# Altium PCB LLN-24VDimmer.PcbDoc (continued)
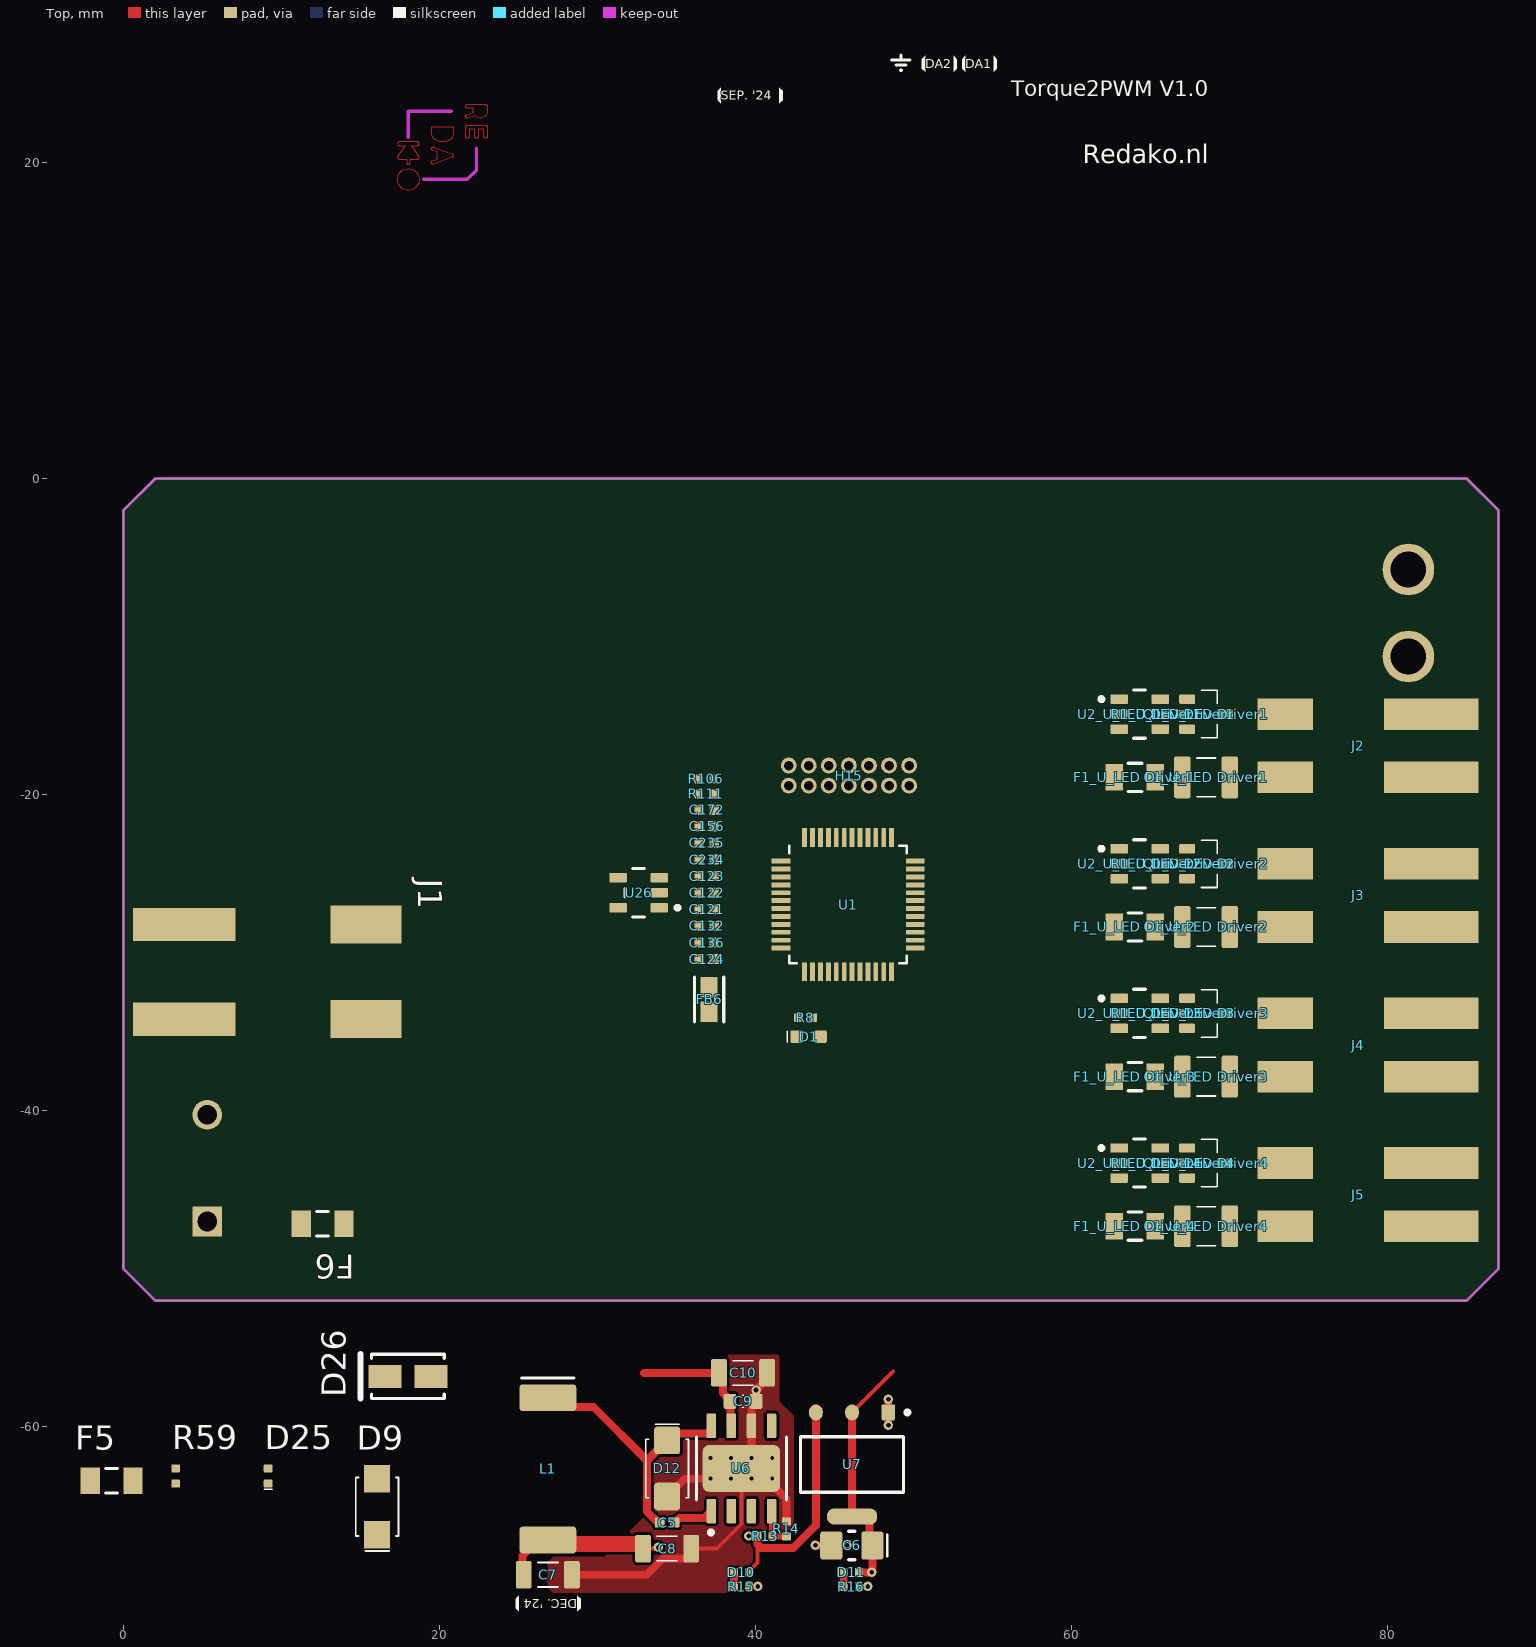
[diagram p0: Top view]
## Footprints (in the part's own frame and the unit in brackets; to place one, negate y for a bottom-side part, rotate by r counter-clockwise, add the part's x,y. Pads: shape width x height; smd on the part's side, far side on the other; paste and mask are expansions set on the pad)
CAPC1005X05N [mm] "0402 Chip Capacitor, 2-Leads, Body 1.00x0.50mm, IPC Medium Density"
  rrect25% 0.6x0.64 smd: 1(-0.48,0) 2(0.48,0)
  body extent -0.5,-0.25 0.5,0.25, height 0.5
CAPC1608X08N [mm] "0603 Chip Capacitor, 2-Leads, Body 1.60x0.80mm, IPC Medium Density"
  rrect25% 0.8x0.95 smd: 1(-0.825,0) 2(0.825,0)
  silkscreen extent -0.05,-0.38 0.05,0.38, body extent -0.8,-0.4 0.8,0.4, height 0.8
CAPC3216X16N [mm] "Chip Capacitor, 2-Leads, Body 3.20x1.60mm, IPC Medium Density"
  rrect25% 1x1.75 smd: 1(-1.525,0) 2(1.525,0)
  silkscreen extent -0.65,-0.77 0.65,0.77, body extent -1.6,-0.8 1.6,0.8, height 1.6
CAPC3225X20N [mm] "Chip Capacitor, 2-Leads, Body 3.20x2.50mm, IPC Medium Density"
  rrect25% 1.05x2.65 smd: 1(-1.5,0) 2(1.5,0)
  silkscreen extent -0.6,-1.22 0.6,1.23, body extent -1.6,-1.25 1.6,1.25, height 2
CAPMP3217X18-T_V [mm] "Molded Capacitor, 2-Leads, Body 3.40x1.8mm"
  rrect25% 1.4x1.8 smd: 1(-1.3,0) 2(1.3,0)
  silkscreen extent -2.25,-0.9 0.2,0.9, body extent -1.92,-0.9 1.92,0.9, height 1.8
FP-0685T-IPC_C [mm]
  rect 1.115x1.686 smd paste+0 mask+0: 1(-1.296,0) 2(1.296,0)
  silkscreen extent -0.44,-0.89 0.44,0.89, body extent -1.95,-0.99 1.95,0.99, height 0.25
FP-AMS1117-IPC_C [mm]
  rrect25% 1.004x0.872 smd paste+0 mask+0: 1(-3.295,2.29)
  rrect100% 1.004x0.872 smd paste+0 mask+0: 2(-3.295,0) 3(-3.295,-2.29)
  rrect87% 1.004x3.182 smd paste+0 mask+0: 4(3.295,0)
  silkscreen extent -3.42,-3.25 1.75,3.63, body extent -3.9,-3.35 3.9,3.35, height 0.25
FP-BLM18-0_15-t0_8-IPC_A [mm]
  rect 1.306x1.058 smd paste+0 mask+0: 1(-0.776,0) 2(0.776,0)
  silkscreen extent -1.43,-0.93 1.43,0.93, body extent -1.93,-1.03 1.93,1.03, height 0.25
FP-DBV0005A-MFG [mm]
  rrect17% 1.1x0.6 smd paste+0 mask+0: 1(-1.3,0.95) 2(-1.3,0) 3(-1.3,-0.95) 4(1.3,-0.95) 5(1.3,0.95)
  silkscreen extent -2.55,-1.53 0.87,1.52, body extent -1.95,-1.78 1.95,1.78, height 0.25
FP-DDA0008J-MFG [mm]
  rrect25% 1.55x0.6 smd paste+0 mask+0: 1(-2.7,1.905) 2(-2.7,0.635) 3(-2.7,-0.635) 4(-2.7,-1.905) 5(2.7,-1.905) 6(2.7,-0.635) 7(2.7,0.635) 8(2.7,1.905)
  rrect25% 2.95x4.9 smd paste-1000 mask-1000: 9(0,0)
  silkscreen extent -4.17,-2.85 2,2.85, body extent -3.57,-2.75 3.57,2.75, height 0.25
FP-SF-1206S-IPC_B [mm]
  rect 1.207x1.662 smd paste+0 mask+0: 1(-1.352,0) 2(1.352,0)
  silkscreen extent -0.37,-0.77 0.37,0.77, body extent -2.21,-1.08 2.21,1.08, height 0.25
"Header 2x7 [14] 1.27mm Male TH" [mm] "STDC14 STLINKV3-MINIE"
  round 1 hole 0.6: 1(3.81,0.635) 2(3.81,-0.635) 3(2.54,0.635) 4(2.54,-0.635) 5(1.27,0.635) 6(1.27,-0.635) 7(0,0.635) 8(0,-0.635) 9(-1.27,0.635) 10(-1.27,-0.635) 11(-2.54,0.635) 12(-2.54,-0.635) 13(-3.81,0.635) 14(-3.81,-0.635)
  body extent -4.44,-1.7 4.44,1.7, height 5.31
"inductor 10x10mm" [mm]
  rrect25% 1.7x3.6 smd: 1(-4.5,0) 2(4.5,0)
  body extent -5.05,-4.95 5.05,4.95, height 3.8
IRM-60-24 [mm]
  round 3.27 hole 2.254: +V(37.8,-20.25) -V(37.8,-14.75)
  rect 1.881x1.881 hole 1.254: AC/L(-38.2,21)
  round 1.881 hole 1.254: AC/N(-38.2,14.25)
  body extent -43.5,-26 43.5,26, height 29.51
led0402 [mm]
  rrect25% 0.5x0.55 smd: 1(-0.475,0) 2(0.475,0)
  silkscreen extent -0.85,-0.25 -0.85,0.25, body extent -0.9,-0.4 0.9,0.4, height 0.35
LEDC1608X08N [mm] "Chip Diode, 2-Leads, Body 1.60x0.80mm, IPC Medium Density"
  rrect25% 0.8x0.8 smd: 1(-0.75,0) 2(0.75,0)
  silkscreen extent -1.35,-0.35 -1.35,0.35, body extent -1.25,-0.55 1.25,0.55, height 0.25
LFUS-DO-214AC-2_L [mm] "Molded Diode, 2-Leads, Body 4.6x2.79mm, IPC High Density"
  rect 2.1x1.45 smd: 1(-1.45,0) 2(1.45,0)
  silkscreen extent -2.3,-1.4 3,1.4, body extent -2.52,-1.4 2.52,1.4, height 2.29
LQFP48-7x7mm [mm]
  rect 1.194x0.305 smd paste+0 mask+0: 1(-4.25,2.75) 2(-4.25,2.25) 3(-4.25,1.75) 4(-4.25,1.25) 5(-4.25,0.75) 6(-4.25,0.25) 7(-4.25,-0.25) 8(-4.25,-0.75) 9(-4.25,-1.25) 10(-4.25,-1.75) 11(-4.25,-2.25) 12(-4.25,-2.75) 25(4.25,-2.75) 26(4.25,-2.25) 27(4.25,-1.75) 28(4.25,-1.25) 29(4.25,-0.75) 30(4.25,-0.25) 31(4.25,0.25) 32(4.25,0.75) 33(4.25,1.25) 34(4.25,1.75) 35(4.25,2.25) 36(4.25,2.75)
  rect 0.305x1.194 smd paste+0 mask+0: 13(-2.75,-4.25) 14(-2.25,-4.25) 15(-1.75,-4.25) 16(-1.25,-4.25) 17(-0.75,-4.25) 18(-0.25,-4.25) 19(0.25,-4.25) 20(0.75,-4.25) 21(1.25,-4.25) 22(1.75,-4.25) 23(2.25,-4.25) 24(2.75,-4.25) 37(2.75,4.25) 38(2.25,4.25) 39(1.75,4.25) 40(1.25,4.25) 41(0.75,4.25) 42(0.25,4.25) 43(-0.25,4.25) 44(-0.75,4.25) 45(-1.25,4.25) 46(-1.75,4.25) 47(-2.25,4.25) 48(-2.75,4.25)
  silkscreen extent -3.72,-3.72 3.72,3.72, body extent -4.5,-4.5 4.5,4.5, height 1.6
RESC1005X04N [mm] "0402 Chip Resistor, 2-Leads, Body 1.00x0.50mm, IPC Medium Density"
  rrect25% 0.5x0.55 smd: 1(-0.475,0) 2(0.475,0)
  body extent -0.5,-0.25 0.5,0.25, height 0.35
SODFL465X130-2N#1 [mm] "SODFL, 2-Leads, Body 2.55x4.65mm, IPC Medium Density"
  rect 1.75x1.65 smd: 1(-1.775,0) 2(1.775,0)
  silkscreen extent -2.8,-1.35 1.85,1.35, body extent -2.32,-1.35 2.32,1.35, height 1.3
SODFL465X130-2N#2 [mm] "SODFL, 2-Leads, Body 2.55x4.65mm, IPC Medium Density"
  rrect25% 1.75x1.65 smd: 1(-1.775,0) 2(1.775,0)
  silkscreen extent -2.8,-1.35 1.85,1.35, body extent -2.32,-1.35 2.32,1.35, height 1.3
SOT95P245X110-3N [mm] "SOT23, 3-Leads, Body 2.90x2.45mm, Pitch 0.95mm, IPC Medium Density"
  rrect25% 1x0.6 smd: 1(-1.2,0.95) 2(-1.2,-0.95) 3(1.2,0)
  silkscreen extent -0.3,-1.5 0.7,1.5, body extent -1.3,-1.5 1.3,1.5, height 1.1
WAGO_2060-452/998-404 [mm]
  rect 6x2 smd: 1(-4,2) 2(-4,-2)
  rect 3.5x2 smd: 1(5.25,2) 2(5.25,-2)
  body extent -6.55,-3.95 6.55,3.95, height 4.51
WAGO_2061-602/998-404 [mm]
  rect 6.5x2.1 smd: 1(-5.15,3) 2(-5.15,-3)
  rect 4.5x2.4 smd: 1(6.35,3) 2(6.35,-3)
  body extent -7.87,-5.85 7.88,5.85, height 5.61

## Part data
"C1_U_LED Driver1" "C1_U_LED Driver2" "C1_U_LED Driver3" "C1_U_LED Driver4": library part SMD_Cap, Rating=50V
C5 C122 C123 C124 C132 C136 C156 C172 C234 C235: library part SMD_Cap, Package=0402
C6: library part CMP-1661-00004-1, "Standard Tantalum, 10 uF, +/- 10%, 16 V, -55 to 125 degC, 2-Pin SMD (1206), RoHS, Tape and Reel", LCSC Part #=C7171, Manufacturer=AVX, MPN=TAJA106K016RNJ, Package=CASE-A_3216
C7 C8: library part SMD_Cap, Package=1206
C9: library part CMP-2000-06048-1, Package=0603
C10: library part CMP-2000-06048-1, Package=1206
C121: library part SMD_Cap, JLC=C307331, JLC Type=Basic, Manufacturer=Samsung, MPN=CL05B104KB54PNC, Package=0402, Rating=50V, Tolerance=±10%, Type=X7R
D1: library part CMP-22017-000005-1, "LED", MPN=KT-0603W, Package=0603
D9 D12: library part CMP-12790-000016-1, LCSC Part #=C122865, Manufacturer=Shikues, MPN=SS56FL, Package=SMAF
D10 D11 D25: library part CMP-22017-000005-1, "LED", Package=0402
D26: library part CMP-2000-07086-1, "Transient Voltage Suppression Diode, 400 W, 22 V, -65 to 150 degC, 2-Pin SMD, RoHS, Tape and Reel", MPN=SMAJ22A
"F1_U_LED Driver1" "F1_U_LED Driver2" "F1_U_LED Driver3" "F1_U_LED Driver4": library part CMP-16042-000018-1, "FUSE 3.0A 63VAC/DC SLOW 1206", Case Code (Imperial)=1206, Case Code (Metric)=3216, Current Rating=3A, DC Cold Resistance=54mR, Max Operating Temperature=125°C, Min Operating Temperature=-55°C, Voltage Rating (AC)=63V, Approvals=CE, Case/Package=1206, Fuse Type="Board Mount (Cartridge Style Excluded)", Mount="Surface Mount", Packaging="Tape and Reel", RoHS Compliant=Yes, Voltage Rating (DC)=63V
F5 F6: library part CMP-07399-000003-1, "FUSE BOARD MOUNT 1A 63VDC 1206", MPN=S1206-S-1.0A, Package=1206
FB6: library part CMP-0686-00587-3, "Chip Ferrite Bead, 0603, 470Ω @ 100MHz, 0.2Ω, 25%, 1A", Case Code (Imperial)=0603, Case Code (Metric)=1608, Current Rating=1A, DC Resistance (DCR)=200mR, Max Operating Temperature=125°C, Min Operating Temperature=-55°C, Package Quantity=1, Test Frequency=100MHz, Tolerance=25%, Case/Package=0603, Core Material=Ferrite, DC Current=1A, DC Resistance-Max=200mR, Depth=0.8mm, Height=0.8mm, Impedance=470R, Lead Free="Lead Free", Length=1.6mm, Material=Steel, Max Current Rating=1A, Max DC Current=1A, Military Standard=Not, Number of Circuits=1, Number of Lines=1, Number of Pins=2, Packaging="Tape and Reel", Radiation Hardening=No, REACH SVHC="No SVHC", Resistance=200mR, RoHS Compliant=Yes, Series=BLM18P, Termination=SMD/SMT, Width=0.8mm
H15: MPN=DW127R-22-14-23
J1: library part JST_Connector_2Pin, MPN=2061-602
J2 J3 J4 J5: library part JST_Connector_2Pin
L1: library part CMP-0227-00441-1, "100 µH", LCSC Part #=C10165, Manufacturer=SXN, MPN=SMDRH105R-220MT, Package=SMD,10x10mm
PS1: "Enclosed AC DC Converters 1 Uitgang 24V 2.5A 85 ~ 264 VAC Input", Package="DIP-4 Mean Well", Digi-Key_Part_Number=1866-3067-ND, Digi-Key_Purchase_URL=https://www.digikey.com/product-detail/en/mean-well-usa-inc/IRM-60-24/1866-3067-ND/7704690?utm_source=snapeda&utm_medium=aggregator&utm_campaign=symbol, MF="MEAN WELL", MP=IRM-60-24, MPN=IRM-60-24, SnapEDA_Link=https://www.snapeda.com/parts/IRM-60-24/MEAN%20WELL%20USA%20Inc./view-part/275663/?ref=snap
"Q1_U_LED Driver1" "Q1_U_LED Driver2" "Q1_U_LED Driver3" "Q1_U_LED Driver4": "N-Channel 30V 5.7A 1.5V @ 250uA 26.5mΩ @ 5.7A,10V 1.4W SOT-23-3L MOSFET RoHS", JLC Part Type=Basic, LCSC Part #=C20917, Manufacturer="Alpha & Omega Semicon", Package=SOT-23-3L, MPN=AO3400A
"R1_U_LED Driver1" "R1_U_LED Driver2" "R1_U_LED Driver3" "R1_U_LED Driver4" R8: library part Res, MPN=0402WGF1001TCE, Package=0402
R13 R14 R15 R16 R59: library part Res, Package=0402
R106 R111: library part Res, JLC=C25744, JLC Type=Basic, Manufacturer=Uniroyal, MPN=0402WGF1002TCE, Package=0402, Rating=50V, Tolerance=±1%
U1: "No Description Available", Mfr_Name=STMicroelectronics, RefDes=RefDes, Type=Type
"U2_U_LED Driver1" "U2_U_LED Driver2" "U2_U_LED Driver3" "U2_U_LED Driver4": library part CMP-04912-000015-1, "IC GATE DVR LOW SIDE 1CH SOT23-5", Manufacturer="Texas Instruments", Max Junction Temp=+140°C, Max Supply Voltage=18V, Min Supply Voltage=4.5V, Output Current=4A, Package=DBV0005A, Temperature="-40°C to +140°C", Temperature Range Low=-40°C, Automotive=No, Category=IC, ComponentLink2Description=Datasheet, ComponentLink2URL=https://www.ti.com/lit/ds/symlink/ucc27517.pdf, Device Class L1="Integrated Circuits (ICs)", Device Class L2="Power Management ICs", Device Class L3="Gate Drivers", Digikey Description="IC GATE DVR LOW SIDE 1CH SOT23-5", Fall Time=7ns, Height=1.45mm, Lead Free=Yes, Manufacturer Part Number=UCC27517DBVR, Mouser Description="4A/4A Single Channel High-speed Low-side Gate Driver 5-SOT-23 -40 to 140", Number Of Drivers=1, Number Of Outputs=1, Octopart=https://octopart.com/ucc27517dbvr-texas+instruments-20613804, Propagation Delay=13ns, Rise Time=8ns, RoHS=TRUE, Standoff Height=0mm, Temperature Range High=+140°C
U6: library part CMP-2000-04960-2, "IC REG BUCK ADJUSTABLE 3A 8SOPWR", LCSC Part #=C9864, Manufacturer="Texas Instruments", MPN=TPS5430DDAR, Package=LSOP-8
U7: library part CMP-209535-000001-1, "LDO Voltage Regulators 1A, 3.3V", Europe MPN=TC2117-3.3VDBTR, LCSC Part #=C6186, Manufacturer="Advanced Monolithic Systems", MPN=AMS1117-3.3
U26: library part CMP-04917-000300-1, "IC REG LINEAR 3.3V 300MA SOT23-5", RoHS Compliant=Yes

## Via types
v1: diameter 0.6, hole 0.3, Top to Bottom, tented both sides, 10 vias
v2: diameter 0.5, hole 0.25, Top to Bottom, tented both sides, 8 vias

## Nets (pads, with @x,y where several pads share a name; then routed paths per layer and width w, separated by ;. In a path a pad name is that pad's centre, name@x,y a point inside that pad or via, vN(x,y) a via of type N, cw(c..) or ccw(c..) an arc to the next point about the centre after c; other vN are vias at no path point)
3V3: D1.2
5V: "U2_U_LED Driver1.1" "U2_U_LED Driver2.1" "U2_U_LED Driver3.1" "U2_U_LED Driver4.1"
+3.3V-STM: C124.2 C132.2 C234.2 FB6.2 H15.3 U26.5
+5V-MW: C235.2 U26.1 U26.3
GND: "C1_U_LED Driver1.1" "C1_U_LED Driver2.1" "C1_U_LED Driver3.1" "C1_U_LED Driver4.1" "Q1_U_LED Driver1.2" "Q1_U_LED Driver2.2" "Q1_U_LED Driver3.2" "Q1_U_LED Driver4.2" "U2_U_LED Driver1.2" "U2_U_LED Driver1.4" "U2_U_LED Driver2.2" "U2_U_LED Driver2.4" "U2_U_LED Driver3.2" "U2_U_LED Driver3.4" "U2_U_LED Driver4.2" "U2_U_LED Driver4.4" C6.2 C7.2 C8.2 C9.1 C10.1 C121.1 C122.1 C123.1 C124.1 C132.1 C136.1 C156.1 C172.1 C234.1 C235.1 D12.2 H15.5 H15.7 H15.11 PS1.-V R8.2 R14.2 R15.2 R16.2 R111.2 U1.19 U1.23 U1.35 U1.47 U6.6 U6.9 U7.1 U26.2 | length 32.6
  Top w0.25: C8.2 37.545,-67.7 39.1,-66.145 U6.9 ; R15.2 40.128,-70.1 v1(40.134,-70.094) ; R16.2 47.078,-70.1 v1(47.084,-70.094)
  Top w0.5: C7.2 33.128,-69.35 34.153,-68.325 35.675,-68.325 35.725,-68.275 C8.2@35.725,-67.7 ; D12.2 35.525,-63.275 v2(37.15,-63.275) ; U6.6 39.735,-61.96 v2(39.75,-61.975) ; U6.6@39.748,-59.912 39.748,-58.652 C9.1 v1(40.025,-57.669) 40.725,-56.969 C10.1 ; v2(41.05,-63.275) 41.05,-63.655 41.95,-64.555 R14.2 ; v1(43.78,-67.492) 43.789,-67.5 C6.2 45.772,-67.5 v1(45.787,-67.484) ; v1(48.4,-59.9) 48.39,-59.89 U7.1 48.39,-58.26 v1(48.4,-58.25)
  other v2: 38.45,-63.275 39.75,-63.275 37.15,-61.975 38.45,-61.975 41.05,-61.975
"NetC1_U_LED Driver1_2": "C1_U_LED Driver1.2" "F1_U_LED Driver1.2" J2.1
"NetC1_U_LED Driver2_2": "C1_U_LED Driver2.2" "F1_U_LED Driver2.2" J3.1
"NetC1_U_LED Driver3_2": "C1_U_LED Driver3.2" "F1_U_LED Driver3.2" J4.1
"NetC1_U_LED Driver4_2": "C1_U_LED Driver4.2" "F1_U_LED Driver4.2" J5.1
NetC5_1: C5.1 U6.1 | length 2.6
  Top w0.5: C5.1 35.171,-65.759 36.761,-65.759 U6.1
NetC5_2: C5.2 D12.1 L1.1 U6.8 | length 17.5
  Top w0.5: L1.1 27.45,-58.75 29.75,-58.75 33.125,-62.125 ; C5.2@34.02,-66.05 33.816,-66.05 33.125,-65.359 33.125,-62.125 ; D12.1@34.4,-60.9 34.891,-60.409 37.195,-60.409 U6.8@37.195,-60 ; D12.1 33.125,-62.125
NetC6_1: C6.1 D11.2 U7.2 U7.4 | length 15.4
  Top w0.25: U7.2@46.171,-59.009 48.68,-56.5
  Top w0.5: U7.2@46.171,-59.009 U7.2 U7.4 46.957,-65.67 47.195,-65.908 47.195,-67.309 C6.1 47.386,-69.137 47.35,-69.173 v1(47.35,-69.2) 46.8,-69.2
NetC7_1: C7.1 C8.1 D10.2 L1.2 R13.1 U7.3 | length 31.6
  Top w0.25: C8.1 33.9,-67.7 33.841,-67.641 v1(33.841,-67.622) ; v1(39.562,-66.9) R13.1 ; D10.2 39.575,-69.138 40.125,-68.588 40.125,-67.425
  Top w0.5: C7.1@25.25,-69.538 25.25,-68.146 26.246,-67.15 L1.2 L1.2@27.1,-67.4 ; C8.1 C8.1@32.875,-67.4 ; R13.1 40.125,-67.425 40.35,-67.65 42.4,-67.65 43.81,-66.24 U7.3
  Top w1: L1.2@27.1,-67.4 C8.1@32.875,-67.4
  Signal w0.25: v1(33.841,-67.622) 34.566,-66.897 39.559,-66.897 v1(39.562,-66.9)
NetC9_2: C9.2 C10.2 U6.7 | length 8.5
  Top w0.25: C9.2@38.325,-58.325 C9.2
  Top w0.5: 32.925,-56.575 C10.2 37.675,-56.95 37.925,-57.2 37.925,-57.85 38.367,-58.292 C9.2@38.367,-58.367 ; C9.2 38.42,-58.42 38.42,-59.88 U6.7
NetC122_2: C122.2 C123.2 C136.2 C156.2 FB6.1 R106.1
NetC172_2: C172.2 R106.2
NetD1_1: D1.1 R8.1
NetD9_1: 
NetD9_2: PS1.+V
NetD10_1: D10.1 R15.1 | length 0.9
  Top w0.5: R15.1 D10.1
NetD11_1: D11.1 R16.1 | length 0.9
  Top w0.5: R16.1 D11.1
NetD25_1: 
"NetF1_U_LED Driver1_1": "F1_U_LED Driver1.1"
"NetF1_U_LED Driver2_1": "F1_U_LED Driver2.1"
"NetF1_U_LED Driver3_1": "F1_U_LED Driver3.1"
"NetF1_U_LED Driver4_1": "F1_U_LED Driver4.1"
NetF6_1: F6.1 J1.1
NetF6_2: F6.2 PS1.AC/L
NetJ1_2: J1.2 PS1.AC/N
NetJ2_2: "Q1_U_LED Driver1.3" J2.2
NetJ3_2: "Q1_U_LED Driver2.3" J3.2
NetJ4_2: "Q1_U_LED Driver3.3" J4.2
NetJ5_2: "Q1_U_LED Driver4.3" J5.2
"NetQ1_U_LED Driver1_1": "Q1_U_LED Driver1.1" "R1_U_LED Driver1.2"
"NetQ1_U_LED Driver2_1": "Q1_U_LED Driver2.1" "R1_U_LED Driver2.2"
"NetQ1_U_LED Driver3_1": "Q1_U_LED Driver3.1" "R1_U_LED Driver3.2"
"NetQ1_U_LED Driver4_1": "Q1_U_LED Driver4.1" "R1_U_LED Driver4.2"
"NetR1_U_LED Driver1_1": "R1_U_LED Driver1.1" "U2_U_LED Driver1.5"
"NetR1_U_LED Driver2_1": "R1_U_LED Driver2.1" "U2_U_LED Driver2.5"
"NetR1_U_LED Driver3_1": "R1_U_LED Driver3.1" "U2_U_LED Driver3.5"
"NetR1_U_LED Driver4_1": "R1_U_LED Driver4.1" "U2_U_LED Driver4.5"
NetR13_2: R13.2 R14.1 U6.4 | length 2.4
  Top w0.4: U6.4@41.005,-65.4 41.04,-65.435 41.04,-66.865 R13.2 41.087,-66.913 41.937,-66.913 R14.1
NetR111_1: R111.1 U1.45
NetU1_28: U1.28
NetU1_29: U1.29
NetU1_30: U1.30
NetU1_31: U1.31
NetU1_33: U1.33
NetU1_34: U1.34
"NetU2_U_LED Driver1_3": "U2_U_LED Driver1.3"
"NetU2_U_LED Driver2_3": "U2_U_LED Driver2.3"
"NetU2_U_LED Driver3_3": "U2_U_LED Driver3.3"
"NetU2_U_LED Driver4_3": "U2_U_LED Driver4.3"
RX_DEBUG: H15.14 U1.11
STM_RST: C121.2 H15.12 U1.7
SWCLK: H15.6 U1.38
SWDIO: H15.4 U1.37
TX_DEBUG: H15.13 U1.10
pads on no net: D9.1 D9.2 D25.1 D25.2 D26.1 D26.2 F5.1 F5.2 H15.1 H15.2 H15.8 H15.9 H15.10 R59.1 R59.2 U1.1 U1.2 U1.3 U1.4 U1.5 U1.6 U1.8 U1.9 U1.12 U1.13 U1.14 U1.15 U1.16 U1.17 U1.18 U1.20 U1.21 U1.22 U1.24 U1.25 U1.26 U1.27 U1.32 U1.36 U1.39 U1.40 U1.41 U1.42 U1.43 U1.44 U1.46 U1.48 U6.2 U6.3 U6.5 U26.4

## Polygon pours and split planes (outlines as drawn)
GND on Top "NONET_L-01_P-001" (solid, remove dead copper, pour order 133): 41.5,-58.4 41.5,-55.425 36.9,-55.425 38.15,-60.7 32.9,-60.7 32.9,-65.75 30.45,-68.2 27.225,-68.2 26.85,-68.575 26.85,-70.15 27.2,-70.5 39.25,-70.5 42.4,-67.35 42.4,-59.3
no net on Top "NONET_L01_P131" (solid, pour order 131): 17.339,18.935 cw(c18.03,18.933) 18.028,19.623 cw(c18.027,18.933) 18.717,18.935 cw(c18.027,18.936) 18.028,18.246 cw(c18.03,18.936)
no net on Top "NONET_L01_P127" (solid, pour order 127): 19.514,20.943 cw(c19.603,20.879) 19.569,20.983 cw(c19.602,20.873) 19.647,20.979 20.782,20.553 cw(c20.756,20.442) 20.87,20.447 20.87,20.446 20.87,20.445 cw(c20.751,20.439) 20.87,20.442 cw(c20.765,20.44) 20.87,20.439 20.87,20.437 20.87,20.436 20.87,20.435 cw(c20.847,20.435) 20.87,20.435 cw(c20.843,20.436) 20.87,20.434 cw(c20.839,20.436) 20.87,20.433 cw(c20.832,20.436) 20.87,20.433 20.87,20.432 20.87,20.431 20.87,20.43 20.87,20.428 20.87,20.427 20.869,20.427 cw(c20.755,20.44) 20.781,20.329 19.647,19.903 cw(c19.602,20.002) 19.538,19.915 cw(c19.615,20.014) 19.489,20.003 cw(c19.599,20.014) 19.504,20.07 cw(c19.601,20.009) 19.566,20.118 19.85,20.225 19.85,20.657 19.566,20.764 cw(c19.598,20.868) 19.492,20.844 cw(c19.615,20.868)
no net on Top "NONET_L01_P128" (solid, pour order 128): 311 vertices, not listed, extent 19.491,21.33 20.871,22.279
no net on Top "NONET_L01_P129" (solid, pour order 129): 319 vertices, not listed, extent 21.644,21.544 23.023,22.35
no net on Top "NONET_L01_P130" (solid, pour order 130): 21.685,23.652 cw(c21.755,23.562) 21.758,23.676 22.906,23.676 cw(c22.908,23.562) 23.023,23.563 23.022,23.563 23.022,23.561 23.022,23.559 23.022,23.557 23.022,23.555 23.022,23.553 cw(c22.907,23.558) 23.022,23.551 cw(c22.925,23.557) 23.022,23.549 cw(c22.938,23.556) 23.021,23.547 cw(c22.951,23.554) 23.021,23.543 23.021,23.239 cw(c22.92,23.239) 23.021,23.234 cw(c22.582,23.24) 22.583,22.801 cw(c22.582,22.916) 22.574,22.801 cw(c22.584,23.239) 22.248,22.958 21.794,22.807 cw(c21.753,22.907) 21.685,22.822 cw(c21.766,22.919) 21.64,22.913 cw(c21.75,22.92) 21.658,22.979 cw(c21.752,22.914) 21.722,23.025 22.151,23.168 cw(c22.798,23.259) 22.149,23.182 cw(c22.714,23.249) 22.148,23.196 cw(c22.65,23.243) 22.147,23.21 cw(c22.581,23.239) 22.146,23.239 22.146,23.447 21.758,23.447 cw(c21.753,23.556) 21.662,23.496 cw(c21.769,23.562) 21.648,23.596 cw(c21.754,23.567)
no net on Top "NONET_L01_P132" (solid, pour order 132): 17.339,21.194 ccw(c17.461,21.193) 17.358,21.129 ccw(c17.449,21.188) 17.454,21.079 17.814,21.079 17.369,20.413 ccw(c17.452,20.333) 17.36,20.265 ccw(c17.453,20.332) 17.471,20.219 17.913,20.219 17.913,20.011 ccw(c18.028,20.005) 17.936,19.936 ccw(c18.022,20.004) 17.994,19.898 ccw(c18.028,20.019) 18.094,19.912 ccw(c18.034,20.003) 18.143,20.011 18.143,20.219 18.586,20.219 ccw(c18.603,20.332) 18.704,20.277 ccw(c18.601,20.334) 18.718,20.335 ccw(c18.604,20.333) 18.689,20.41 18.243,21.079 18.602,21.079 ccw(c18.604,21.194) 18.718,21.196 ccw(c18.604,21.194) 18.602,21.309 17.454,21.309 ccw(c17.45,21.199)
no net on Top Solder "NONET_L-01_P-001" (solid): 834 vertices, not listed, extent 27.377,20.055 33.501,26.105
no net on Top Solder "NONET_L01_P083" (solid): 19.514,20.943 cw(c19.603,20.879) 19.569,20.983 cw(c19.602,20.873) 19.647,20.979 20.782,20.553 cw(c20.756,20.442) 20.87,20.447 20.87,20.446 20.87,20.445 cw(c20.751,20.439) 20.87,20.442 cw(c20.765,20.44) 20.87,20.439 20.87,20.437 20.87,20.436 20.87,20.435 cw(c20.847,20.435) 20.87,20.435 cw(c20.843,20.436) 20.87,20.434 cw(c20.839,20.436) 20.87,20.433 cw(c20.832,20.436) 20.87,20.433 20.87,20.432 20.87,20.431 20.87,20.43 20.87,20.428 20.87,20.427 20.869,20.427 cw(c20.755,20.44) 20.781,20.329 19.647,19.903 cw(c19.602,20.002) 19.538,19.915 cw(c19.615,20.014) 19.489,20.003 cw(c19.599,20.014) 19.504,20.07 cw(c19.601,20.009) 19.566,20.118 19.85,20.225 19.85,20.657 19.566,20.764 cw(c19.598,20.868) 19.492,20.844 cw(c19.615,20.868)
no net on Top Solder "NONET_L01_P084" (solid): 311 vertices, not listed, extent 19.491,21.33 20.871,22.279
no net on Top Solder "NONET_L01_P080" (solid): 17.913,23.216 cw(c18.026,23.239) 17.946,23.321 cw(c18.028,23.241) 18.05,23.353 20.754,23.353 cw(c20.756,23.239) 20.87,23.24 cw(c20.756,23.239) 20.754,23.124 18.143,23.124 18.143,21.309 18.602,21.309 cw(c18.604,21.194) 18.718,21.196 cw(c18.604,21.194) 18.602,21.079 18.243,21.079 18.689,20.41 cw(c18.604,20.333) 18.718,20.335 cw(c18.601,20.334) 18.704,20.277 cw(c18.603,20.332) 18.586,20.219 18.143,20.219 18.143,20.011 cw(c18.034,20.003) 18.094,19.912 cw(c18.028,20.019) 17.994,19.898 cw(c18.022,20.004) 17.936,19.936 cw(c18.028,20.005) 17.913,20.011 17.913,20.219 17.471,20.219 cw(c17.453,20.332) 17.36,20.265 cw(c17.452,20.333) 17.369,20.413 17.814,21.079 17.454,21.079 cw(c17.449,21.188) 17.358,21.129 cw(c17.462,21.193) 17.339,21.194 cw(c17.45,21.199) 17.454,21.309 17.913,21.309
no net on Top Solder "NONET_L01_P085" (solid): 319 vertices, not listed, extent 21.644,21.544 23.023,22.35
no net on Top Solder "NONET_L01_P075" (solid): 22.218,20.907 22.218,19.556 21.711,19.049 18.707,19.049 ccw(c18.026,18.932) 18.028,19.623 ccw(c18.03,18.933) 17.339,18.935 ccw(c18.03,18.936) 18.028,18.246 ccw(c18.026,18.937) 18.707,18.82 21.744,18.82 ccw(c21.757,18.934) 21.799,18.827 ccw(c21.76,18.935) 21.851,18.865 22.399,19.413 ccw(c22.332,19.506) 22.441,19.471 ccw(c22.331,19.51) 22.448,19.51 ccw(c22.332,19.509) 22.448,19.519 ccw(c22.344,19.51) 22.447,19.525 22.447,20.907 ccw(c22.333,20.913) 22.424,20.982 ccw(c22.339,20.914) 22.367,21.02 ccw(c22.333,20.899) 22.266,21.006 ccw(c22.326,20.915)
no net on Top Solder "NONET_L01_P086" (solid): 21.685,23.652 cw(c21.755,23.562) 21.758,23.676 22.906,23.676 cw(c22.908,23.562) 23.023,23.563 23.022,23.563 23.022,23.561 23.022,23.559 23.022,23.557 23.022,23.555 23.022,23.553 cw(c22.907,23.558) 23.022,23.551 cw(c22.925,23.557) 23.022,23.549 cw(c22.938,23.556) 23.021,23.547 cw(c22.951,23.554) 23.021,23.543 23.021,23.239 cw(c22.92,23.239) 23.021,23.234 cw(c22.582,23.24) 22.583,22.801 cw(c22.582,22.916) 22.574,22.801 cw(c22.584,23.239) 22.248,22.958 21.794,22.807 cw(c21.753,22.907) 21.685,22.822 cw(c21.766,22.919) 21.64,22.913 cw(c21.75,22.92) 21.658,22.979 cw(c21.752,22.914) 21.722,23.025 22.151,23.168 cw(c22.798,23.259) 22.149,23.182 cw(c22.714,23.249) 22.148,23.196 cw(c22.65,23.243) 22.147,23.21 cw(c22.581,23.239) 22.146,23.239 22.146,23.447 21.758,23.447 cw(c21.753,23.556) 21.662,23.496 cw(c21.769,23.562) 21.648,23.596 cw(c21.754,23.567)

## Keep-outs
Top:
  lines w0.217: 18.03,21.585 18.03,23.24 18.032,23.239 20.755,23.239 ; 19.013,18.933 21.76,18.933 22.338,19.51 22.338,20.913
Keep-Out Layer:
  lines w0.2: 0,-50 0,-2 2,0 85,0 87,-2 87,-35.55 87,-50 85,-52 9.15,-52 2,-52 0,-50

## Other copper
Top:
  pour cut-out: 22.375,23.447 22.791,23.447 22.791,23.239 cw(c22.585,23.237) 22.583,23.031 cw(c22.582,23.237) 22.409,23.124 22.405,23.132 22.402,23.136 22.4,23.14 cw(c22.632,23.267) 22.398,23.144 cw(c22.59,23.244) 22.396,23.148 cw(c22.565,23.232) 22.394,23.153 cw(c22.545,23.223) 22.389,23.162 cw(c22.538,23.22) 22.388,23.167 cw(c22.605,23.242) 22.377,23.209 cw(c22.584,23.239) 22.375,23.239
  pour cut-out: 18.028,19.394 cw(c18.03,18.936) 18.487,18.955 18.487,18.945 18.487,18.941 18.487,18.938 18.487,18.934 cw(c18.203,18.934) 18.487,18.927 18.487,18.924 18.487,18.919 18.487,18.915 cw(c18.03,18.932) 18.028,18.475 cw(c18.026,18.933) 17.569,18.935 cw(c18.026,18.936)
  pour cut-out: 19.721,22.048 19.721,21.875 ccw(c20.035,21.874) 20.037,21.56 20.324,21.56 ccw(c20.325,21.874) 20.639,21.875 20.639,22.048
  pour cut-out: 20.08,20.571 20.427,20.441 20.08,20.311
  pour cut-out: 17.669,20.448 18.028,20.987 18.387,20.448

## Silkscreen, mask and mechanical layers (free items; w line width, h text height)
Top Overlay:
  region: 28.718,-70.67 28.718,-71.67 28.918,-71.47 28.918,-70.87
  region: 25.018,-71.67 25.018,-70.67 24.818,-70.87 24.818,-71.47
  region: 41.502,24.749 41.502,23.749 41.702,23.949 41.702,24.549
  region: 37.802,23.749 37.802,24.749 37.602,24.549 37.602,23.949
  region: 50.72,25.75 50.72,26.75 50.52,26.55 50.52,25.95
  region: 55.07,26.75 55.07,25.75 55.27,25.95 55.27,26.55
  region: 52.52,26.75 52.52,25.75 52.72,25.95 52.72,26.55
  region: 53.27,25.75 53.27,26.75 53.07,26.55 53.07,25.95
  lines w0.2: 25.2,-56.9 28.5,-56.9
  lines w0.203: 48.615,26.482 49.765,26.482 ; 48.872,26.165 49.507,26.165 ; 49.165,25.847 49.215,25.847 ; 49.19,26.482 49.19,26.8
  text "DA2" at 50.72,25.75 h1
  text "DA1" at 53.27,25.75 h1
  text "Torque2PWM V1.0" at 56.178,23.859 h1.7
  text "SEP. '24" at 37.802,23.749 h1
  text "Redako.nl" at 60.7,19.55 h2
  text "DEC. '24" at 28.718,-70.67 h1 r180
Top Solder:
  pour cut-out: 19.721,22.048 19.721,21.875 ccw(c20.035,21.874) 20.037,21.56 20.324,21.56 ccw(c20.325,21.874) 20.639,21.875 20.639,22.048
  pour cut-out: 22.375,23.447 22.791,23.447 22.791,23.239 cw(c22.585,23.237) 22.583,23.031 cw(c22.582,23.237) 22.409,23.124 22.405,23.132 22.402,23.136 22.4,23.14 cw(c22.632,23.267) 22.398,23.144 cw(c22.59,23.244) 22.396,23.148 cw(c22.565,23.232) 22.394,23.153 cw(c22.545,23.223) 22.389,23.162 cw(c22.538,23.22) 22.388,23.167 cw(c22.605,23.242) 22.377,23.209 cw(c22.584,23.239) 22.375,23.239
  pour cut-out: 18.028,19.394 cw(c18.03,18.936) 18.487,18.955 18.487,18.945 18.487,18.941 18.487,18.938 18.487,18.934 cw(c18.203,18.934) 18.487,18.927 18.487,18.924 18.487,18.919 18.487,18.915 cw(c18.03,18.932) 18.028,18.475 cw(c18.026,18.933) 17.569,18.935 cw(c18.026,18.936)
  pour cut-out: 20.08,20.571 20.427,20.441 20.08,20.311
  pour cut-out: 17.669,20.448 18.028,20.987 18.387,20.448
Bottom Solder:
  text "A" at 53.5,17.25 h8